# Allegro board P2597_B04_Allegro_layout.brd (continued)
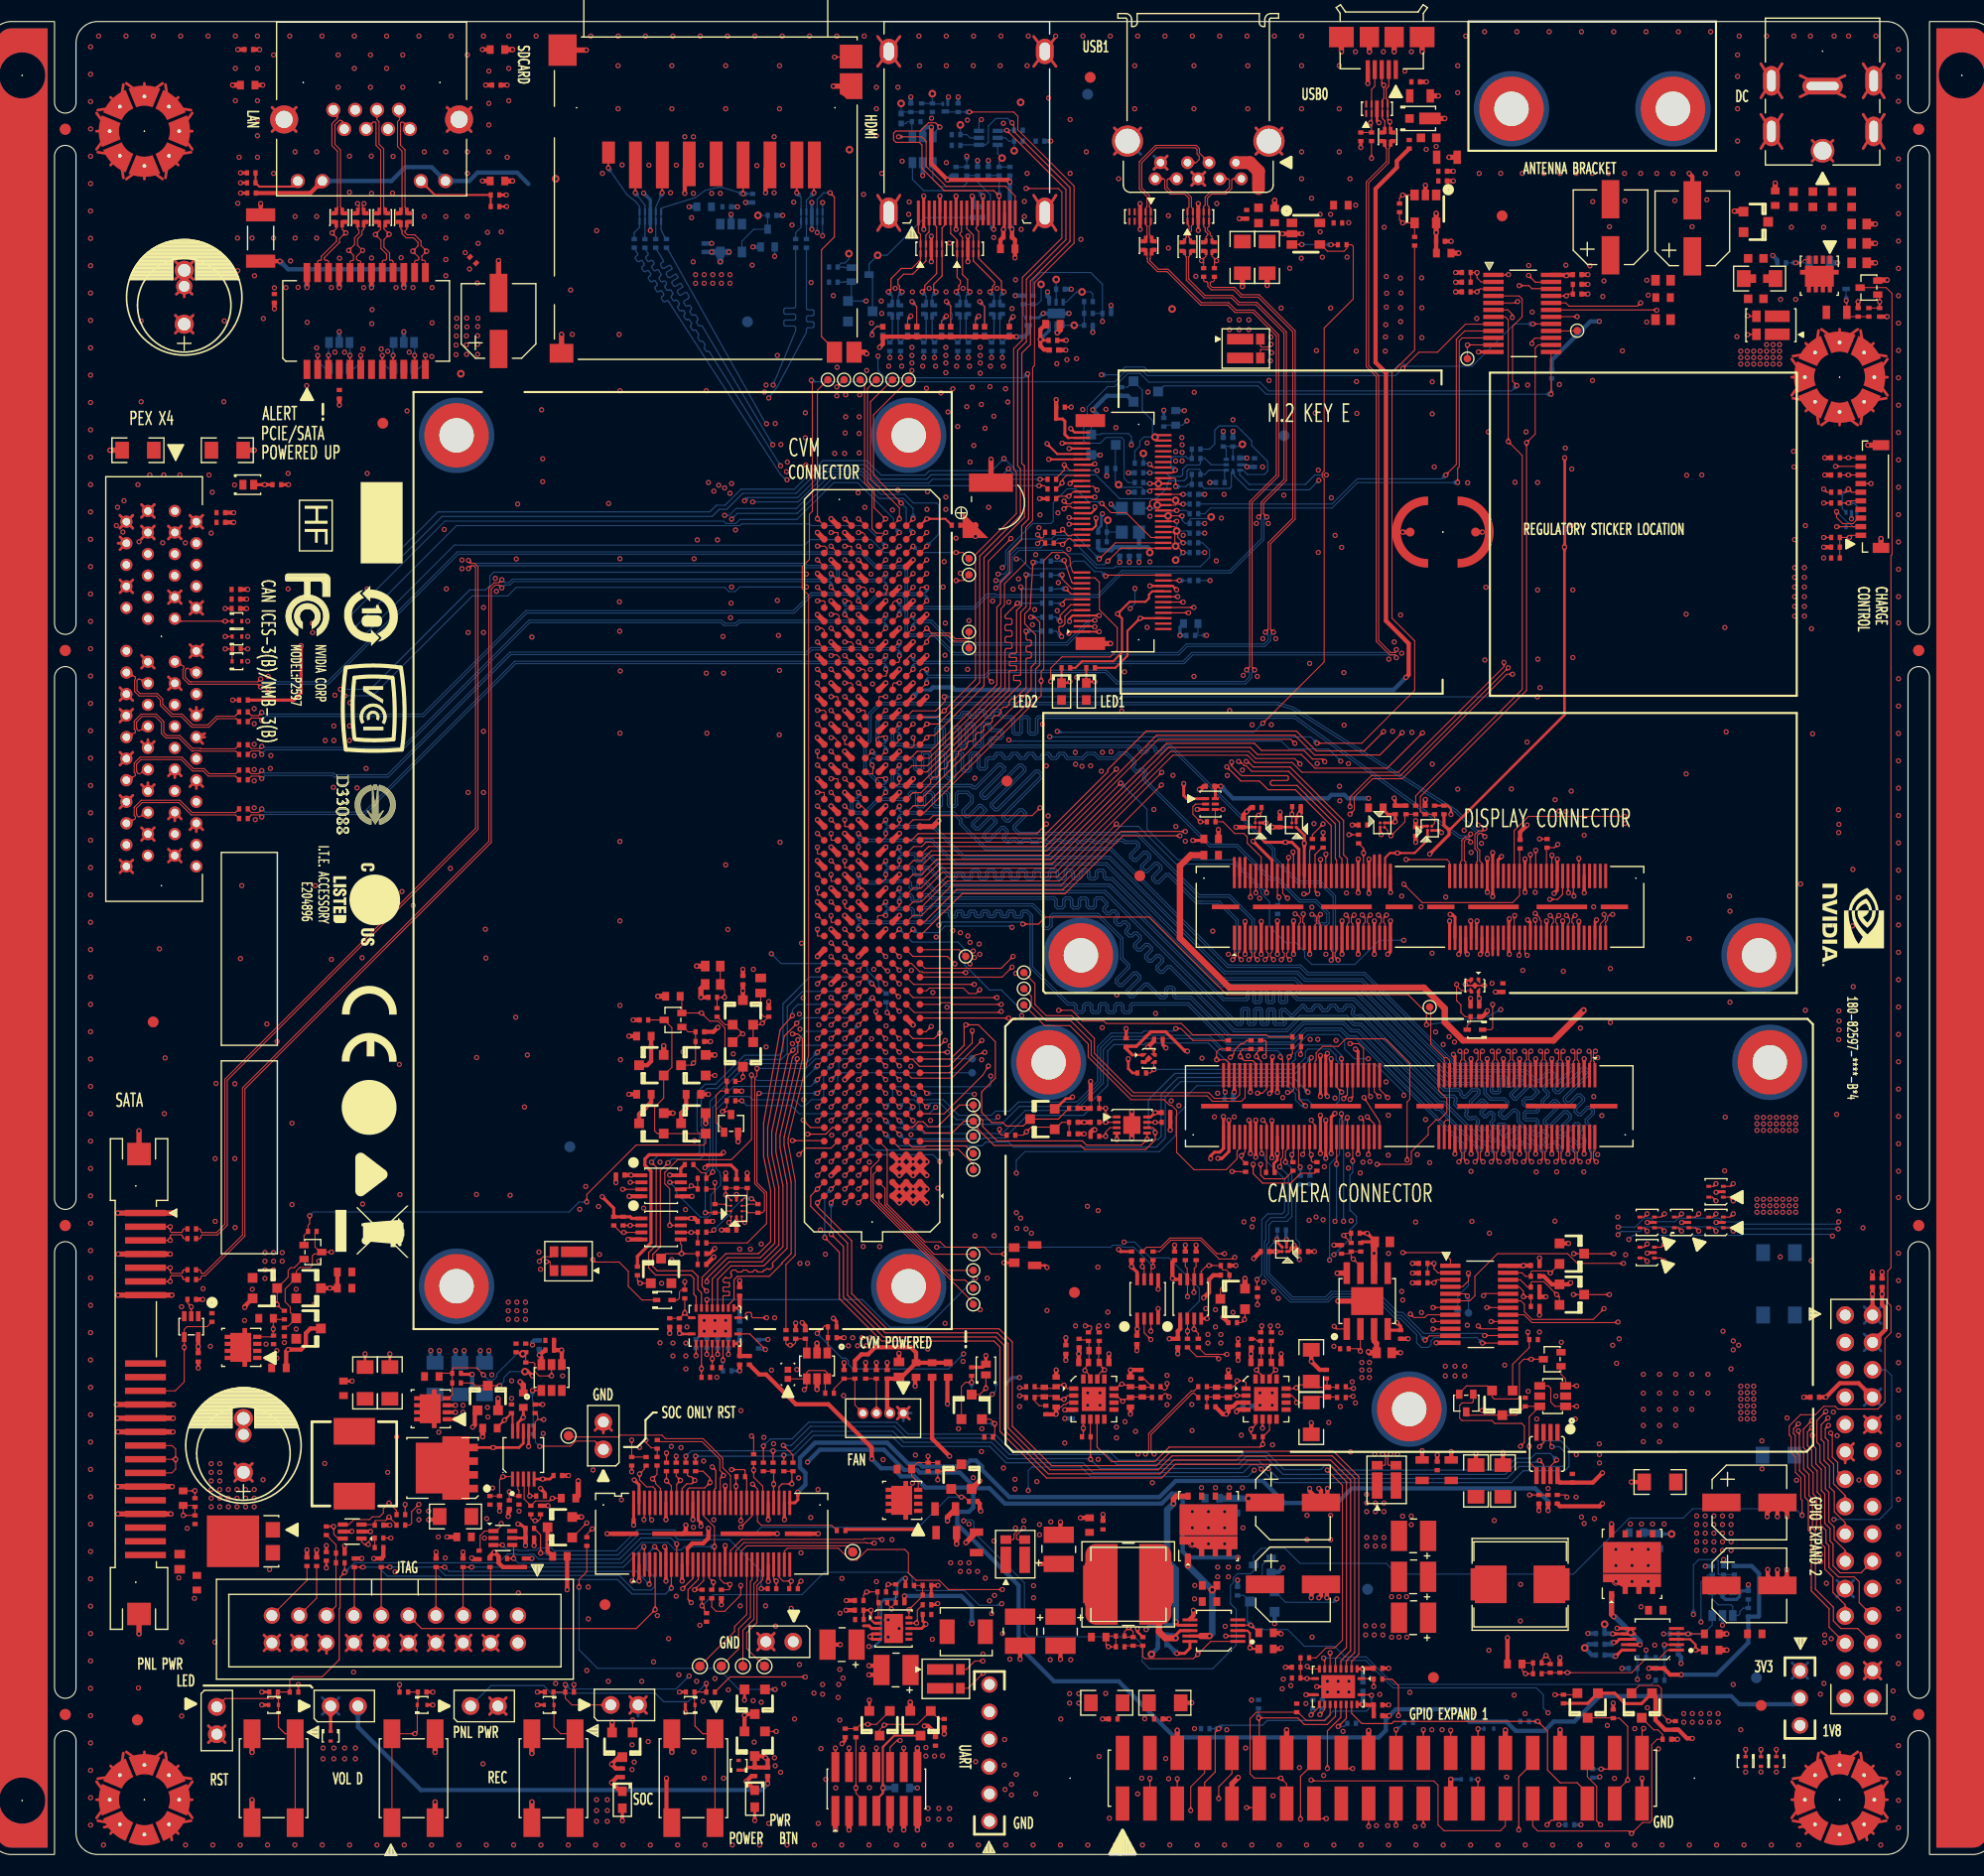
[diagram p0: board, top side]
## Routing (per net, layer and track width the routed paths; a pad name or vN(x,y) marks a point on that pad's centre or on a via; arc(x,y) is an arc through that point) (continued)
EDP_TXD3_P: length 88.6
  TOP w0.101: v1(76.87,106.23) 77.5,106.23 77.65,106.08 77.65,105.74 77.5,105.59 ; J23.117 149.6,86.39 150.05,86.84 150.05,86.98 149.95,87.08 v1(149.95,87.28)
  L4 w0.101: v1(76.87,106.23) 76.87,105.68 76.92,105.63 96.45,105.63 98.07,105.61 116.32,103.94 120.38,99.88 129.56,99.88 133.1,96.34 133.1,95.57 133.76,94.91 133.76,94.03 134.55,93.23 134.55,92.28 139.8,87.03 139.8,86.63 141.2,85.23 141.85,85.23 142.21,84.88 148.05,84.88 150.16,86.99 150.16,87.07 v1(149.95,87.28)
EN_GP0_LVL: length 4.2
  BOTTOM w0.1: C507.1 U501.8 ; C507.1 115.97,130.73 116.17,130.93 v2(116.35,130.93) ; C507.1 R534.2 114.85,130.46 U501.7
EN_HDMI: length 4.2
  BOTTOM w0.1: U502.4 99.75,141.98 v2(100.72,141.98) R549.2 R548.2 R547.1
EN_HDMI_TERM: length 4.6
  BOTTOM w0.1: Q505.1 96,142.9 R558.2 R557.2 97.3,143.93 97.65,144.28 v2(97.65,145.78)
EN_VDD_DISP: length 51.2
  TOP w0.1: R231.1 132.45,98.28 142.35,108.18 142.35,129.88 v1(141.05,131.18) 141.05,142.48 140.78,142.76 U29.7
EN_VDD_DISP_R: length 4.5
  TOP w0.1: U24.B2 129.85,95.08 129.85,94.88 v1(130.15,94.58) 131.45,95.88 131.45,96.48 R228.1 R231.2
EN_VDD_SATA_G: length 4.2
  TOP w0.1: R13.1 26.42,49.68 C28.1 v1(26.32,48.78) 26.32,48.2 R11.2 26.23,48.05 Q1.4
EN_VDD_SATA_R_D_L: length 13.5
  TOP w0.1: R348.1 30.2,57.7 30.2,56.41 30.5,56.1 30.64,56.1 D18.3 ; R346.1 27.5,49.05 27.73,49.05 Q34.1 27.9,50.34 27.9,50.83 27.42,51.3 27.42,52.5 Q35.1 28.46,54.16 28.8,54.5 29.75,54.5 29.95,54.7 29.95,55.58 30.12,55.75 30.64,55.75 D18.3 ; D18.3 v1(31.73,55.93)
EN_VDD_SATA_R_L: length 6.4
  TOP w0.1: R13.2 27.25,50.48 v1(26.67,51.05) 26.68,51.06 Q2.3 27.7,53.6 27.7,54.23 27.95,54.48 28.27,54.48 29.07,55.28 D18.2
EN_VDD_TS_1V8_PMIC: length 66.4
  TOP w0.1: v1(141.92,144.18) 141.79,144.06 U29.5 ; v1(141.45,109.58) 140.9,109.58 131.2,99.88 128.45,99.88 126.74,98.17 126.74,96.97 v1(126.35,96.58) ; R205.1 120.97,96.61 v1(120.95,96.58) U20.B2
  L3 w0.1: v1(141.45,109.58) 141.45,111.25 141.05,111.66 141.05,130.27 141.55,130.78 141.55,131.37 141.02,131.9 141.02,136.36 141.92,137.26 v1(141.92,144.18)
  L4 w0.1: v1(126.35,96.58) 125.85,97.08 121.45,97.08 v1(120.95,96.58)
EN_VDD_TS_HV_PMIC: length 66.4
  TOP w0.1: v1(141.05,110.18) 131.05,100.18 128.35,100.18 126.35,98.18 v1(126.35,97.28) ; U17.B2 117.55,96.18 v1(117.85,96.48) 118.12,96.75 R196.1 ; U29.6 141.02,143.41 141.42,143 v1(141.42,142.7)
  L3 w0.1: v1(141.42,142.7) 141.42,137.28 140.65,136.51 140.65,111.61 141.05,111.21 v1(141.05,110.18)
  L4 w0.1: v1(126.35,97.28) 120.9,97.28 120,96.38 119.4,96.38 119.3,96.48 v1(117.85,96.48)
FAN_PWM: length 57.1
  TOP w0.111: v1(84.41,79.64) J13.C16 ; Q17.1 77.85,46.63 R115.2 R114.1 77.75,49.08 77.55,49.08 v1(76.85,48.38)
  L3 w0.12: v1(90.45,46.48) 90.45,49.31 89.19,50.57 89.19,58.84 89.79,59.44 89.79,65.17 89.37,65.6 89.37,71.9 87.45,73.82 87.45,75.78 86.85,76.38 86.85,78.28 85.49,79.64 v1(84.41,79.64)
  BOTTOM w0.111: v1(76.85,48.38) 79.15,46.08 79.51,46.08 79.75,45.84 79.75,45.52 80.18,45.08 89.05,45.08 v1(90.45,46.48)
FAN_PWM_Q*: length 6.3
  TOP w0.1: R300.2 78.4,43.23 C58.1 R117.2 80.35,41.73 J15.4
FAN_PWM_Q_R: length 7.5
  TOP w0.1: Q17.4 74.13,44.16 D17.1 ; Q17.4 75.88,43.39 v1(75.65,43.16) ; Q17.4 75.88,44.76 76.05,44.93 77.58,44.93 77.78,44.72 Q17.6 77.6,43.98 R300.1
FAN_TACH: length 66.9
  TOP w0.1: C60.1 R121.2 J15.3 ; v1(91.45,80.78) 85.81,80.78 85.12,81.46
  L3 w0.1: v1(91.45,80.78) 90.25,79.58 90.25,74.58 91.75,73.07 91.75,71.8 92.47,71.08 92.47,58.13 92.22,57.88 92.22,55.07 93.88,53.42 93.88,46.1 93.35,45.58 93.35,42.96 v1(93.12,42.73)
  L4 w0.1: J15.3 82.35,42.3 82.6,42.55 87.12,42.55 87.97,43.41 87.97,43.83 88.42,44.28 92.57,44.28 93.12,43.74 v1(93.12,42.73)
  BOTTOM w0.1: v1(93.12,42.73) 93.46,43.07 D30.1
FLASH_EN: length 46.2
  TOP w0.1: J22.97 120.1,73.73 120.09,73.74 v1(119.88,74.05) ; J13.D7 v1(83.22,68.13)
  BOTTOM w0.1: v1(119.88,74.05) 119.88,74.38 119.62,74.63 114.43,74.63 113.31,75.75 107.27,75.75 107.18,75.66 104.35,75.66 103.43,74.74 103.43,71.62 100.89,69.08 96.18,69.08 94.03,66.93 86.75,66.93 86.36,67.32 84.87,67.32 84.71,67.48 83.87,67.48 v1(83.22,68.13)
FLASH_INHIBIT: length 43.8
  TOP w0.1: v1(117.75,70.68) 118.21,70.68 118.6,71.07 J22.103 ; v1(134.05,48.78) 135.65,48.78 U28.10
  L3 w0.1: v1(117.75,70.68) 116.38,69.31 116.38,65.58 115.78,64.98 115.78,64.73 116.22,64.29 116.22,59.75 116.05,59.58 116.05,56.01 116.42,55.64 116.42,54.29 115.86,53.73 115.86,52.28 116.16,51.98 118.71,51.98 119.06,51.63 v1(119.69,51.63)
  L4 w0.1: v1(134.05,48.78) 133.64,49.19 131.86,49.19 128.94,52.1 121.74,52.1 121.57,51.93 119.99,51.93 v1(119.69,51.63)
FLASH_STROBE: length 76
  TOP w0.1: R311.1 117.7,52.63 v1(117.7,53.38) ; v1(118.15,65.08) 118.1,65.13 J22.106 ; J13.G7 v1(78.14,68.13)
  L3 w0.1: v1(78.14,68.13) 77.07,67.06 77.07,65.3 75.36,63.59 75.36,55.67 75.95,55.08 v1(75.95,54.88)
  L4 w0.1: v1(117.7,53.38) 117.43,53.38 116.88,52.83 109.2,52.83 108.89,53.13 108.24,53.13 107.69,52.58 90.33,52.58 87.62,55.29 76.36,55.29 v1(75.95,54.88)
  BOTTOM w0.1: v1(117.7,53.38) 118.15,53.83 118.15,58.93 118.7,59.48 120.05,59.48 120.27,59.7 120.27,62.7 118.45,64.53 118.45,64.78 v1(118.15,65.08)
FLASH_STROBE_G: length 36.4
  TOP w0.1: Q37.1 141.45,45.51 143,47.05 R321.1 142.88,47.93 v1(142.88,48.5) ; R311.2 v1(117.75,51.03)
  L4 w0.1: v1(142.88,48.5) 141.32,50.05 136.53,50.05 136.01,50.57 135.01,50.57 134.63,50.2 134.63,48.6 134.39,48.35 133.75,48.35 133.28,48.82 131.86,48.82 128.9,51.78 121.9,51.78 121.55,51.43 120.15,51.43 119.75,51.03 v1(117.75,51.03)
FORCE_RECOVERY_L: length 76.2
  TOP w0.1: R59.2 v1(54.25,15.78)
  TOP w0.111: J13.E1 v1(80.68,60.51)
  L3 w0.1: v1(80.68,60.51) 80.68,60.31 79.78,59.41 79.78,55.64 79.78,55.64 79.78,54.95 79.78,54.95 79.78,54.95 79.78,53.74 79.78,53.74 79.78,53.22 77.03,50.46 77.03,49.16 76.35,48.48 76.35,41.33 79.39,38.29 79.39,35.91 81.14,34.16 81.14,30.35 80.4,29.61 80.4,29.35 80.4,28.44 78.6,26.64 78.6,22.58 78.58,22.56 78.58,22.23 78.6,22.22 78.6,17.53 v1(78.95,17.18)
  L4 w0.1: v1(78.95,17.18) 78.92,17.21 63.37,17.21 62.23,18.36 60.38,18.36 58.63,16.61 55.08,16.61 v1(54.25,15.78)
FORCE_RECOVERY_R_L: length 51.8
  TOP w0.1: v1(53.45,15.78) R59.1 ; R59.1 C46.1 52.35,13.93 D4.1 52.4,11.83 53.02,11.21 S3.1 S3.4 ; R59.1 53.45,14.51 54.08,13.88 J9.1 ; v1(69.75,30.98) 69.8,31.03 J10.42
  L3 w0.1: v1(69.75,30.98) 69.36,30.59 69.36,26.81 66.72,24.18 66.72,16.76 66.54,16.57 v1(64.96,16.57)
  BOTTOM w0.1: v1(64.96,16.57) 63.74,15.36 53.87,15.36 v1(53.45,15.78)
GBE_CTREF: length 14.2
  TOP w0.1: TP7.1 76.87,135.95 v1(76.87,124.01) 77.5,123.37
GBE_LED0_SPICSB: length 86.2
  TOP w0.2: R10.1 v1(23.27,155.21) ; J13.E47 v1(80.68,120.2)
  L4 w0.2: v1(23.27,155.21) 22.23,154.16 22.23,146.66 26.02,142.86 40.9,142.86 44.92,146.88 45.73,146.88 67.52,125.08 68.52,125.08 69.15,124.45 77.1,124.45 77.58,123.98 77.58,123.63 77.83,123.38 80.95,123.38 81.33,123 81.33,120.43 81.1,120.2 v1(80.68,120.2)
GBE_LED1_SPISCK: length 51.3
  TOP w0.2: R44.1 v1(48,153.01) ; J13.F50 v1(79.41,124.01)
  L4 w0.2: v1(48,153.01) 48,149.76 46,147.76 46,147.1 67.57,125.53 68.67,125.53 69.38,124.82 77.94,124.82 78.35,124.41 79.01,124.41 v1(79.41,124.01)
GBE_LED2: length 23.6
  TOP w0.1: J13.F46 v1(79.41,118.93) ; v1(78.68,136.26) TP8.1
  L3 w0.1: v1(78.68,136.26) 77.77,135.35 77.77,128.29 75.5,126.02 75.5,120.33 76.35,119.48 78.86,119.48 v1(79.41,118.93)
GBE_MDI0_N: length 67.5
  TOP w0.102: v1(80.68,122.74) 81.08,122.74 81.31,122.5 J13.E49 ; v1(31.45,139.18) T1.3
  L4 w0.102: v1(31.45,139.18) 31.4,139.23 31.25,139.23 31.13,139.12 31.13,137 33.18,134.96 33.18,134.96 39.38,128.76 56.15,128.76 66.45,118.46 79.58,118.46 79.59,118.46 79.71,118.46 79.9,118.64 79.9,118.65 79.9,121.89 80.19,122.18 80.63,122.18 80.82,122.38 80.82,122.59 v1(80.68,122.74)
  BOTTOM w0.102: D507.1 31.45,140.33 v1(31.45,139.18)
GBE_MDI0_P: length 68.1
  TOP w0.102: v1(30.45,139.18) T1.2 ; J13.E48 v1(80.68,121.47)
  L4 w0.102: v1(80.68,121.47) 80.68,121.8 80.61,121.87 80.32,121.87 80.21,121.76 80.21,118.78 80.21,118.78 80.21,118.52 79.84,118.14 79.46,118.14 79.45,118.15 66.32,118.15 56.02,128.45 39.25,128.45 31.94,135.76 31.94,135.76 30.82,136.87 30.82,139.06 30.7,139.18 v1(30.45,139.18)
  BOTTOM w0.102: v1(30.45,139.18) 30.45,138.66 31.13,137.98 D507.6
GBE_MDI1_N: length 60.5
  TOP w0.102: v1(34.45,139.18) T1.6 ; v1(79.41,121.47) 79.99,121.47 80.04,121.42 J13.F48
  L4 w0.102: v1(34.45,139.18) 34.13,139.18 34.12,139.17 34.12,137.47 36.38,135.2 51.74,135.2 67.26,119.69 78.29,119.69 78.42,119.69 78.64,119.91 78.64,120.53 78.87,120.77 79.12,120.77 79.41,121.05 v1(79.41,121.47)
  BOTTOM w0.102: v1(34.45,139.18) 34.45,138.57 33.86,137.98 D507.4
GBE_MDI1_P: length 59.9
  TOP w0.102: J13.F47 80.04,119.95 79.99,120 79.6,120 v1(79.41,120.2) ; v1(33.45,139.18) T1.5
  L4 w0.102: v1(79.41,120.2) 79.41,120.41 79.36,120.45 79,120.45 78.95,120.4 78.95,119.78 78.55,119.38 78.16,119.38 78.16,119.38 67.13,119.38 51.61,134.89 36.25,134.89 33.8,137.34 33.8,139.15 33.77,139.18 v1(33.45,139.18)
  BOTTOM w0.102: D507.3 33.45,140.33 v1(33.45,139.18)
GBE_MDI2_N: length 55.3
  TOP w0.102: T1.9 v1(37.45,139.18) ; v1(78.14,122.74) 78.72,122.74 78.77,122.69 J13.G49
  L4 w0.102: v1(37.45,139.18) 37.22,139.18 37.13,139.09 37.13,138.65 37.37,138.41 37.72,138.41 38.14,138.83 38.14,140.03 38.58,140.47 40.72,140.47 43.53,137.66 53.06,137.66 68.47,122.24 78.06,122.24 78.25,122.43 78.25,122.63 v1(78.14,122.74)
  BOTTOM w0.102: D506.1 37.45,140.33 v1(37.45,139.18)
GBE_MDI2_P: length 56
  TOP w0.102: T1.8 v1(36.45,139.18) ; v1(78.14,121.47) J13.G48
  L4 w0.102: v1(36.45,139.18) 36.59,139.18 36.82,138.95 36.82,138.52 37.24,138.1 37.85,138.1 38.45,138.7 38.45,139.9 38.71,140.16 40.59,140.16 43.4,137.34 52.93,137.34 68.34,121.93 78.05,121.93 78.14,121.84 v1(78.14,121.47)
  BOTTOM w0.102: v1(36.45,139.18) 36.45,138.53 37,137.98 D506.6
GBE_MDI3_N: length 50.8
  TOP w0.102: T1.12 v1(40.45,139.18) ; 77.5,120.83 77.76,121.09 77.76,121.27 77.56,121.47 v1(76.87,121.47)
  L4 w0.102: v1(40.45,139.18) 40.09,139.18 40.04,139.13 40.04,137.44 41.12,136.37 52.51,136.37 52.51,136.37 52.61,136.37 57.41,131.57 57.41,131.57 67.94,121.04 76.78,121.04 76.87,121.13 v1(76.87,121.47)
  BOTTOM w0.102: v1(40.45,139.18) 40.45,138.55 39.88,137.98 D506.4
GBE_MDI3_P: length 50.1
  TOP w0.102: T1.11 v1(39.45,139.18) ; v1(76.87,120.2) 77.5,119.56
  L4 w0.102: v1(39.45,139.18) 39.72,139.18 39.73,139.17 39.73,137.31 40.98,136.06 52.38,136.06 52.48,136.06 57.28,131.25 57.29,131.25 67.81,120.73 76.8,120.73 76.92,120.61 76.92,120.25 v1(76.87,120.2)
  BOTTOM w0.102: v1(39.45,139.18) 39.45,140.33 D506.3
GEN1_I2C_SCL_CAM_R: length 2.8
  TOP w0.111: R198.1 117.65,74.38 v1(117.65,74.08) 118.1,73.63 J22.105
GEN1_I2C_SDA_CAM_R: length 4.4
  TOP w0.111: R194.1 116.4,74.78 116.15,74.53 v1(116.15,74.08) 116.52,73.7 117.33,73.7 117.6,73.43 J22.107
GNSS_PPS: length 174.4
  TOP w0.1: v1(90.65,81.88) 86.68,81.88 86.6,81.96 86.37,81.96 85.6,82.73 85.12,82.73 ; D27.1 v1(165.95,9.75)
  L3 w0.1: v1(90.65,81.88) 89.96,81.19 89.96,74.43 91.47,72.92 91.47,71.63 92.21,70.9 92.21,58.3 91.94,58.03 91.94,54.94 93.57,53.3 93.57,46.23 92.99,45.65 92.99,43.15 92.73,42.89 92.73,42.3 93.31,41.72 93.31,40.62 93.75,40.17 93.75,37.95 92.47,36.67 92.47,34.56 91.83,33.92 91.83,32.59 91.54,32.31 91.54,31.72 91.76,31.49 91.76,28.51 93.06,27.2 93.06,25.55 92.45,24.94 92.45,20.59 91.19,19.32 91.19,12.24 90.8,11.85 90.8,8.68 92.71,6.77 94.17,6.77 94.83,7.43 v1(95.35,7.43)
  L4 w0.1: J26.30 173.75,13.38 172.43,13.38 168.8,9.75 165.95,9.75 v1(165.95,9.75) 165.22,9.75 164.38,8.91 159.97,8.91 159.13,9.75 156.25,9.75 155.84,9.34 109.73,9.34 108.99,10.08 98,10.08 v1(95.35,7.43)
GPIO_EXP0_INT: length 102.7
  TOP w0.1: v1(140.65,110.68) 140.65,110.28 130.85,100.48 121.88,100.48 120.98,101.38 117.5,101.38 116.82,102.06 109.89,102.06 99.01,91.18 88.49,91.18 J13.A23 ; U29.1 141.05,146.66 v1(141.07,146.68)
  L3 w0.1: v1(141.07,146.68) 141.03,146.64 141.03,137.29 140.22,136.48 140.22,111.5 140.65,111.07 v1(140.65,110.68)
GPIO_EXP1_INT: length 90.9
  TOP w0.1: v1(104.65,95.68) 99.34,90.38 88.96,90.38 J13.A22 ; v1(131.25,55.88) 135.05,55.88 135.67,55.26 U28.1
  L3 w0.1: v1(131.25,55.88) 130.95,56.18 130.95,70.8 131.35,71.2 v1(131.35,84.88)
  BOTTOM w0.1: v1(104.65,95.68) 104.88,95.45 106.69,95.45 110.19,91.96 115.64,91.96 118.08,89.52 118.08,89.25 118.87,88.46 118.87,86.16 120.38,84.65 121.31,84.65 122.13,83.84 122.13,83.3 122.79,82.64 126.81,82.64 129.05,84.88 v1(131.35,84.88)
GPIO_EXP2_A0: length 3.7
  TOP w0.1: U28.21 142.05,52.7 142.45,52.3 v1(142.45,51.78) R248.2 R249.1
GPIO_EXP2_A1: length 3.7
  TOP w0.1: U28.2 134.53,54 134.15,54.38 v1(134.15,54.88) R232.1 R233.2
GPIO_EXP_A0: length 3
  TOP w0.1: U29.21 v1(146.45,144.71) 146.62,144.88 R260.1 R259.2
GPIO_EXP_A1: length 3.7
  TOP w0.1: U29.2 138.53,146.01 138.15,146.38 v1(138.15,146.88) R239.1 R240.2
GPIO_EXP_P07_3V3: length 3.7
  TOP w0.1: TP32.1 v1(137.25,140.16) U29.11
GPIO_EXP_P16_3V3: length 199.6
  TOP w0.1: v1(154.85,143.38) 154.82,143.41 U29.19 ; J21.22 v1(130.62,11.6)
  L3 w0.1: v1(154.85,143.38) 154.85,142.84 155.67,142.02 155.67,133.88 160.51,129.04 160.51,63.48 160.94,63.05 162.17,63.05 162.65,62.58 162.65,55.55 161.27,54.16 161.27,50.11 160.51,49.36 160.51,46.82 161.32,46.02 165.69,46.02 166.44,45.27 166.44,39.67 168.11,37.99 168.11,36.14 168.16,36.09 168.24,36.09 169.65,34.68 169.65,15.28 v1(170.05,14.88)
  L4 w0.1: v1(130.62,11.6) 131.29,11.6 132.53,12.83 136.6,12.83 137.22,12.21 137.22,10.91 137.5,10.63 153.65,10.63 154.6,11.58 158.82,11.58 160.28,10.13 162.75,10.13 163.55,10.93 168.53,10.93 170.82,13.23 170.82,14.11 v1(170.05,14.88)
  BOTTOM w0.1: v1(130.62,11.6) 130.75,11.6 R345.1
GPIO_EXP_P17_3V3: length 209.3
  TOP w0.1: J21.15 123,3.63 123.3,3.33 v1(124.15,3.33) ; U29.20 146.4,144.06 146.7,143.76 153.05,143.76 v1(153.35,144.06)
  L3 w0.1: v1(124.15,3.33) 133.32,3.33 133.95,2.71 140.82,2.71 141.4,3.28 145.22,3.28 v1(145.75,2.75) 147.08,1.42 164.19,1.42 167.07,4.3 167.07,7.13 169.38,9.44 169.38,34.56 167.91,36.02 167.91,37.91 166.05,39.78 166.05,45.05 165.49,45.6 161.2,45.6 160.22,46.57 160.22,49.57 160.97,50.32 160.97,54.42 162.38,55.83 162.38,62.49 162.09,62.78 160.85,62.78 160.22,63.41 160.22,128.91 155.41,133.72 155.41,141.88 154.06,143.23 154.06,143.35 v1(153.35,144.06)
  BOTTOM w0.1: R344.1 v1(145.75,2.75)
GS_H: length 70.7
  TOP w0.111: J23.94 143.6,93.23 v1(143.61,93.24) ; v1(131.2,104.16) 129.13,102.09 123.05,102.09 121.22,103.92 108.39,103.92 98.05,93.58 87.21,93.58 86.52,92.89 J13.A26
  L4 w0.12: v1(131.2,104.16) 131.98,103.38 134.15,103.38 134.61,102.92 134.62,102.92 143.42,94.12 143.42,94.11 143.61,93.92 v1(143.61,93.24)
GS_V: length 69.9
  TOP w0.111: v1(143.11,92.84) 143.1,92.83 J23.92 ; J13.A27 86.61,94.38 97.72,94.38 103.85,100.51 103.85,100.73 107.42,104.3 121.38,104.3 123.21,102.47 127.69,102.47 v1(129.47,104.25)
  L4 w0.12: v1(143.11,92.84) 143.11,93.97 143.1,93.97 143.1,93.98 134.49,102.59 134.48,102.59 134.02,103.06 130.66,103.06 v1(129.47,104.25)
HDMI_CEC: length 67.5
  TOP w0.111: v1(96.4,137.48) 96.49,137.39 96.49,124.01 95.85,123.35 95.85,122.07 94.73,120.96 94.73,119 93.87,118.14 93.87,116.14 93.55,115.81 93.55,108.62 87.35,102.42 86.14,102.42 85.5,101.78 85.12,101.78
  L3 w0.12: v1(82.5,139.13) 81.4,140.23 v1(81.4,144.23)
  BOTTOM w0.111: R588.2 79.36,145.98 79.41,146.03 CR501.1 80.02,144.55 Q508.2 v1(81.4,144.23) ; v1(96.4,137.48) 96.03,137.11 83.17,137.11 82.5,137.78 v1(82.5,139.13)
HDMI_CEC_CON: length 12.4
  TOP w0.111: J16.13 v1(92.25,153.98)
  BOTTOM w0.111: L502.2 92.15,152.04 C522.1 92.25,153.08 v1(92.25,153.98) 91.75,154.48 86.75,154.48 85.7,155.53 D503.3
HDMI_CEC_PU: length 3.2
  BOTTOM w0.1: v2(79.8,148.63) 79.8,148.13 79.42,147.76 79.07,147.76 78.75,147.43 R587.1 79.37,147.38 79.42,147.33 CR501.2
HDMI_CEC_Q: length 15.9
  BOTTOM w0.111: Q508.3 81.99,146.36 CR501.3 81.67,147.68 v2(82.47,148.48) 83.33,148.48 86.83,151.98 L502.1
HDMI_DDC_SCL_5V: length 7.4
  L3 w0.12: v1(90.75,157.68) 90.75,160.28 91.55,161.08 v1(92.1,161.08)
  BOTTOM w0.111: v1(92.1,161.08) 91.88,160.86 Q506.3 ; R574.2 R569.1 v1(90.75,157.68)
HDMI_DDC_SCL_5V0: length 14
  TOP w0.111: J16.15 v1(93.25,150.88)
  BOTTOM w0.111: D503.1 87.6,155.53 88.27,154.86 90.43,154.86 90.75,155.18 R569.2 C521.1 91.75,155.28 92.95,154.08 92.95,151.18 v1(93.25,150.88)
HDMI_DDC_SCL_POL: length 66
  TOP w0.111: v1(94.46,160.08) 99.96,154.58 99.96,149.93 96.28,146.25 96.28,140.46 95.48,139.65 95.48,128.91 95.73,128.66 95.73,124.32 91.95,120.55 91.95,108.83 88.08,104.96 v1(87.03,104.96) J13.A35
  BOTTOM w0.111: R559.2 v1(94.46,160.08) 94.4,160.03 Q506.4
HDMI_DDC_SDA_5V: length 3.3
  BOTTOM w0.111: Q506.6 93.62,157.91 v2(94.02,157.51) 93.75,157.23 R564.1 R561.2
HDMI_DDC_SDA_5V0: length 24.4
  TOP w0.111: J16.16 v1(93.75,153.98) 93.25,154.48 88.65,154.48 86.58,156.55 86.58,158.71 86.33,158.96 84.17,158.96 83.95,159.18 83.95,159.81 84.16,160.01 86.42,160.01 87.19,160.78 87.85,160.78 v1(88.25,160.38)
  BOTTOM w0.111: v1(93.75,153.98) R564.2 C520.1 ; v1(88.25,160.38) 87.6,159.73 D503.6
HDMI_DDC_SDA_POL: length 73.1
  TOP w0.111: J13.A34 v1(87.03,103.69) 87.25,103.91 87.75,103.91 92.35,108.51 92.35,120.41 96.11,124.17 96.11,128.92 95.86,129.17 95.86,139.39 96.66,140.2 96.66,146.09 100.34,149.77 100.34,154.76 95.12,159.98 95.12,160.61 v1(94.95,160.78)
  BOTTOM w0.111: v1(94.95,160.78) 94.55,161.18 93.45,161.18 92.75,160.48 92.75,158.98 92.5,158.73 Q506.1 90.2,158.73 R573.2
HDMI_HPD: length 75.1
  TOP w0.1: v1(90.98,161.78) 95.11,161.78 95.49,161.39 95.49,160.13 100.71,154.91 100.71,149.61 97.04,145.94 97.04,138.24 96.86,138.06 96.86,123.85 96.23,123.2 96.23,119.96 94.25,117.98 94.25,115.98 93.92,115.65 93.92,108.46 87.25,101.78 J13.A33
  BOTTOM w0.1: Q507.3 88.8,161.78 R570.2 v1(90.98,161.78)
HDMI_HPD_CON: length 19.8
  TOP w0.1: v1(84.41,159.48) 86.55,159.48 86.97,159.06 86.97,156.74 88.83,154.88 94.35,154.88 95.25,153.98 J16.19
  BOTTOM w0.1: v1(84.41,159.48) D503.4 85.65,159.53 C527.1 85.25,160.88 85.09,160.72 L505.2
HDMI_HPD_L: length 2.9
  BOTTOM w0.1: R580.1 C528.1 84.79,161.78 L505.1 v2(84.65,162.58)
HDMI_HPD_R_L: length 2.9
  BOTTOM w0.1: R578.1 87.6,162.53 Q507.1 ; R578.1 R580.2 ; R578.1 v2(87.55,163.48)
HDMI_ILIM: length 2.1
  BOTTOM w0.1: v2(99.05,146.23) R550.1 U502.2
HDMI_SW_OC*: length 3.9
  BOTTOM w0.1: R547.2 102.45,144.88 102.25,145.08 v2(101.45,145.08) 100.95,145.08 100,144.13 U502.3
HDMI_TXC_C_N: length 3.9
  BOTTOM w0.111: R562.2 94.5,140.93 94.5,140.83 C518.2 93.82,140.61 L501.1 94.01,143.03 R563.1
HDMI_TXC_C_P: length 3.9
  BOTTOM w0.111: R565.1 93.09,143.03 L501.2 93.27,140.61 C519.2 92.6,140.83 92.6,140.93 R566.2
HDMI_TXC_CON_N: length 10
  TOP w0.111: J16.12 91.75,151.19 91.74,151.19 91.6,151.05 91.6,150.93 91.85,150.68 D501.6 D501.5 91.85,148.19 93.97,146.07 93.97,145.31 v1(94.2,145.08)
  BOTTOM w0.111: v1(94.2,145.08) 93.82,144.71 L501.4 R563.2
HDMI_TXC_CON_P: length 10.1
  TOP w0.111: J16.10 90.75,150.96 91.35,150.36 D501.7 D501.4 91.35,147.97 93.32,145.99 93.32,145.78 93.15,145.61 93.15,145.33 v1(92.9,145.08)
  BOTTOM w0.111: R565.2 L501.3 93.27,144.71 v1(92.9,145.08)
HDMI_TXD0_C_N: length 3.9
  BOTTOM w0.111: R567.2 91.35,140.93 91.35,140.83 C523.2 90.67,140.61 L503.1 90.86,143.03 R568.1
HDMI_TXD0_C_P: length 3.9
  BOTTOM w0.111: R575.2 89.45,140.93 89.45,140.83 C524.2 90.12,140.61 90.12,142.84 89.94,143.03 R571.1
HDMI_TXD0_CON_N: length 9.3
  TOP w0.111: J16.9 90.25,150.66 90.11,150.52 90.11,150.39 90.35,150.16 D501.9 D501.2 90.35,146.69 90.82,146.22 90.82,145.31 v1(91.05,145.08)
  BOTTOM w0.111: v1(91.05,145.08) 90.67,144.71 L503.4 R568.2
HDMI_TXD0_CON_P: length 9.4
  TOP w0.111: v1(89.75,145.08) 90,145.33 90,145.65 90.01,145.65 90.15,145.8 90.15,146.12 89.85,146.43 D501.1 D501.10 89.85,149.91 89.25,150.51 J16.7
  BOTTOM w0.111: R571.2 90.12,144.02 90.12,144.71 v1(89.75,145.08)
HDMI_TXD1_C_N: length 3.9
  BOTTOM w0.111: R577.1 87.71,143.03 L504.1 87.52,140.61 C525.2 88.2,140.83 88.2,140.93 R576.2
HDMI_TXD1_C_P: length 3.9
  BOTTOM w0.111: R579.1 86.79,143.03 L504.2 86.97,140.61 C526.2 86.3,140.83 86.3,140.93 R581.2
HDMI_TXD1_CON_N: length 9.4
  TOP w0.111: v1(87.9,145.08) 87.67,145.31 87.67,145.79 88.45,146.56 D502.5 D502.6 88.45,151.03 88.67,151.24 88.67,151.25 88.75,151.33 J16.6
  BOTTOM w0.111: v1(87.9,145.08) 87.52,144.71 L504.4 R577.2
HDMI_TXD1_CON_P: length 9.5
  TOP w0.111: J16.4 87.75,151.33 87.95,151.12 D502.7 D502.4 87.95,146.78 86.85,145.68 86.85,145.33 v1(86.6,145.08)
  BOTTOM w0.111: v1(86.6,145.08) 86.97,144.71 L504.3 R579.2
HDMI_TXD2_C_N: length 3.9
  BOTTOM w0.111: R582.2 85.05,140.93 85.05,140.83 C530.2 84.38,140.61 L506.1 84.56,143.03 R583.1
HDMI_TXD2_C_P: length 3.9
  BOTTOM w0.111: R584.1 83.64,143.03 L506.2 83.82,140.61 C531.2 83.15,140.83 83.15,140.93 R586.2
HDMI_TXD2_CON_N: length 10.7
  TOP w0.111: J16.3 87.25,150.65 86.95,150.35 D502.9 D502.2 86.95,147.95 85.72,146.72 84.88,146.72 84.36,146.2 84.36,145.76 84.5,145.62 84.5,145.33 v1(84.75,145.08)
  BOTTOM w0.111: v1(84.75,145.08) 84.38,144.71 L506.4 R583.2
HDMI_TXD2_CON_P: length 10.7
  TOP w0.111: v1(83.45,145.08) 83.7,145.33 83.7,146.3 84.66,147.26 85.63,147.26 86.45,148.07 D502.1 D502.10 86.45,150.41 86.25,150.61 J16.1
  BOTTOM w0.111: R584.2 L506.3 83.82,144.71 v1(83.45,145.08)
I2C_GP0_CLK_1V8: length 205.3
  TOP w0.111: v1(74.95,77.18) 74.95,77.14 73.79,75.98 72.25,67.48 72.25,64.88 72.91,61.78 72.91,56.75 71.56,55.4 68.52,55.4 66.6,53.48 v1(66.6,53.17) ; R198.2 118.45,75.58 118.55,75.48 118.55,74.23 v1(118.4,74.08) ; v1(120.65,92.58) 120.6,92.53 J23.22 ; v1(62.85,37.28) R69.2 ; J13.E15 v1(80.68,78.29)
  L3 w0.12: v1(124.15,128.08) 124.15,106.78 120.78,103.41 120.78,98.18 122.13,96.82 122.13,96.32 121.45,95.64 121.45,92.88 121.15,92.58 v1(120.65,92.58) 120.51,92.58 117.21,95.88 115.55,95.88 115.17,95.5 115.17,95.15 115.17,95.14 115.17,94.62 114.1,93.55 113.86,93.55 111.5,91.19 111.5,76.4 111.85,76.05 114.66,76.05 115.99,74.72 117.76,74.72 v1(118.4,74.08) ; v1(80.68,78.29) 80.95,78.56 81.06,78.56 81.56,79.06 81.56,79.71 81.96,80.11 83.13,80.11 83.75,80.73 83.75,81.12 84.2,81.57 86.76,81.57 89.45,84.26 91.13,84.26 91.15,84.28 91.22,84.28 91.27,84.33 91.47,84.33 91.95,83.85 v1(91.95,83.58) ; v1(66.6,53.17) 66.28,52.86 65.98,52.86 65.03,51.91 62.93,51.91 60.83,49.81 60.83,40.1 62.85,38.08 v1(62.85,37.28)
  L4 w0.12: v1(91.95,83.58) 91.95,82.5 93.76,80.69 94.66,80.69 94.66,80.69 95.46,80.69 99.64,76.52 101.06,76.52 105.49,72.09 116.31,72.09 v1(118.4,74.08)
  BOTTOM w0.111: v1(74.95,77.18) 75.45,77.68 80.07,77.68 v1(80.68,78.29) ; R318.2 113.3,130.48 113.77,130.96 113.77,132.23 114.17,132.63 115.82,132.63 117.22,131.23 117.22,130.81 118.7,129.33 118.7,128.43 118.4,128.13 116.82,128.13 116.42,128.53 U501.3 116.1,128.1 117,127.2 122.2,127.2 123.07,128.08 v1(124.15,128.08)
I2C_GP0_DAT_1V8: length 192.1
  TOP w0.111: v1(74.55,77.88) 73.41,76.59 71.87,67.88 71.87,64.83 72.53,61.62 72.53,56.91 71.4,55.78 68.36,55.78 66.16,53.58 66.16,52.73 v1(66.58,52.31) ; v1(121.05,93.08) 121.1,93.03 J23.24 ; R194.2 116.75,75.58 116.45,75.28 116.22,75.28 115.56,74.62 115.56,74.33 v1(115.23,74) ; v1(63.75,36.98) R71.2 ; J13.D15 v1(81.96,79.54)
  L3 w0.12: v1(123.45,127.58) 123.83,127.2 123.83,106.91 120.46,103.54 120.46,96.28 121.02,95.72 121.02,93.11 v1(121.05,93.08) 120.48,93.08 117.36,96.2 115.41,96.2 114.85,95.64 114.85,95.01 114.85,95.01 114.85,94.76 113.97,93.87 113.73,93.87 111.18,91.32 111.18,76.14 111.64,75.68 114.45,75.68 115.23,74.89 v1(115.23,74) ; v1(66.58,52.31) 65.89,52.31 65.13,51.55 63.2,51.55 61.23,49.59 61.23,40.18 62.84,38.57 63.26,38.57 63.75,38.08 v1(63.75,36.98) ; v1(91.35,83.88) 91.29,83.94 89.58,83.94 86.9,81.25 84.33,81.25 84.07,80.99 84.07,80.6 83.21,79.74 82.34,79.74 82.33,79.73 82.15,79.73 v1(81.96,79.54)
  L4 w0.12: v1(91.35,83.88) 91.68,83.88 91.78,83.98 92.12,83.98 92.35,83.75 92.35,83.41 92.27,83.33 92.27,82.64 93.89,81.01 94.52,81.01 95.62,81.01 99.79,76.84 101.19,76.84 105.62,72.41 113.65,72.41 v1(115.23,74)
  BOTTOM w0.111: v1(74.55,77.88) 74.55,78.42 75.05,78.92 81.34,78.92 v1(81.96,79.54) ; R319.2 112.82,126.83 115.17,126.83 115.32,126.98 115.32,128.31 115.42,128.4 U501.4 115.6,128.28 115.6,128 116.9,126.7 122.57,126.7 v1(123.45,127.58)
I2C_GP0_SCL_3V3_LVL: length 272.8
  TOP w0.111: J21.5 v1(110.3,7.03)
  L3 w0.12: v1(94.2,129.61) 94.17,129.58 94.17,121.97 94.73,121.42 95.95,121.42 96.29,121.08 97.34,121.08 97.59,120.83 97.59,110.93 99.05,109.47 99.05,105.42 101.65,102.82 104.34,102.82 104.57,102.59 104.57,102.19 103.76,101.38 103.76,100.48 100.36,97.08 100.36,94.93 97.67,92.24 97.67,85.35 97.18,84.86 97.18,79.36 101.03,75.51 101.03,72.46 97.85,69.27 97.85,65.78 97.2,65.13 97.2,57.32 96.83,56.95 96.83,42.15 96.05,41.37 96.05,36.88 94.28,35.1 94.28,33.69 93.81,33.22 93.81,28.69 95,27.49 95,23.4 92.76,21.16 92.76,20.46 91.51,19.2 91.51,12.05 91.11,11.65 91.11,9.94 91.94,9.12 94.36,9.12 95.81,7.67 95.81,6.89 95.43,6.5 v1(94.9,6.5)
  L4 w0.12: v1(110.3,7.03) 107.76,9.57 98.85,9.57 95.79,6.5 v1(94.9,6.5) ; v1(102.85,128.48) 103.11,128.74 107.29,128.74 v1(107.75,128.28) ; v1(37.87,120.9) 18.72,120.9 17.72,119.9 15.51,119.9 14.67,120.74